# Allegro board LED_FIN.brd (continued)
## Placement (name value [footprint] x y rotation side) (continued)
D5105  0603_LED  [0603_SINGLE]  45.25 280 0 top
D5106  0603_LED  [0603_SINGLE]  47.25 280 0 top
D5107  0603_LED  [0603_SINGLE]  49.25 280 0 top
D5108  0603_LED  [0603_SINGLE]  51.25 280 0 top
D5109  0603_LED  [0603_SINGLE]  53.25 280 0 top
D5110  0603_LED  [0603_SINGLE]  55.25 280 0 top
D5111  0603_LED  [0603_SINGLE]  57.25 280 0 top
D5112  0603_LED  [0603_SINGLE]  59.25 280 0 top
D5113  0603_LED  [0603_SINGLE]  61.25 280 0 top
D5114  0603_LED  [0603_SINGLE]  63.25 280 0 top
D5115  0603_LED  [0603_SINGLE]  65.25 280 0 top
D5116  0603_LED  [0603_SINGLE]  67.25 280 0 top
D5117  0603_LED  [0603_SINGLE]  69.25 280 0 top
D5118  0603_LED  [0603_SINGLE]  71.25 280 0 top
D5119  0603_LED  [0603_SINGLE]  73.25 280 0 top
D5120  0603_LED  [0603_SINGLE]  75.25 280 0 top
D5121  0603_LED  [0603_SINGLE]  77.25 280 0 top
D5122  0603_LED  [0603_SINGLE]  79.25 280 0 top
D5123  0603_LED  [0603_SINGLE]  81.25 280 0 top
D5124  0603_LED  [0603_SINGLE]  83.25 280 0 top
D5125  0603_LED  [0603_SINGLE]  85.25 280 0 top
D5126  0603_LED  [0603_SINGLE]  87.25 280 0 top
D5127  0603_LED  [0603_SINGLE]  89.25 280 0 top
D5128  0603_LED  [0603_SINGLE]  91.25 280 0 top
D5129  0603_LED  [0603_SINGLE]  93.25 280 0 top
D5130  0603_LED  [0603_SINGLE]  95.25 280 0 top
D5131  0603_LED  [0603_SINGLE]  37.25 278 0 top
D5132  0603_LED  [0603_SINGLE]  39.25 278 0 top
D5133  0603_LED  [0603_SINGLE]  41.25 278 0 top
D5134  0603_LED  [0603_SINGLE]  43.25 278 0 top
D5135  0603_LED  [0603_SINGLE]  45.25 278 0 top
D5136  0603_LED  [0603_SINGLE]  47.25 278 0 top
D5137  0603_LED  [0603_SINGLE]  49.25 278 0 top
D5138  0603_LED  [0603_SINGLE]  51.25 278 0 top
D5139  0603_LED  [0603_SINGLE]  53.25 278 0 top
D5140  0603_LED  [0603_SINGLE]  55.25 278 0 top
D5141  0603_LED  [0603_SINGLE]  57.25 278 0 top
D5142  0603_LED  [0603_SINGLE]  59.25 278 0 top
D5143  0603_LED  [0603_SINGLE]  61.25 278 0 top
D5144  0603_LED  [0603_SINGLE]  63.25 278 0 top
D5145  0603_LED  [0603_SINGLE]  65.25 278 0 top
D5146  0603_LED  [0603_SINGLE]  67.25 278 0 top
D5147  0603_LED  [0603_SINGLE]  69.25 278 0 top
D5148  0603_LED  [0603_SINGLE]  71.25 278 0 top
D5149  0603_LED  [0603_SINGLE]  73.25 278 0 top
D5150  0603_LED  [0603_SINGLE]  75.25 278 0 top
D5151  0603_LED  [0603_SINGLE]  77.25 278 0 top
D5152  0603_LED  [0603_SINGLE]  79.25 278 0 top
D5153  0603_LED  [0603_SINGLE]  81.25 278 0 top
D5154  0603_LED  [0603_SINGLE]  83.25 278 0 top
D5155  0603_LED  [0603_SINGLE]  85.25 278 0 top
D5156  0603_LED  [0603_SINGLE]  87.25 278 0 top
D5157  0603_LED  [0603_SINGLE]  89.25 278 0 top
D5158  0603_LED  [0603_SINGLE]  91.25 278 0 top
D5159  0603_LED  [0603_SINGLE]  93.25 278 0 top
D5160  0603_LED  [0603_SINGLE]  95.25 278 0 top
D5161  0603_LED  [0603_SINGLE]  37.25 276 0 top
D5162  0603_LED  [0603_SINGLE]  39.25 276 0 top
D5163  0603_LED  [0603_SINGLE]  41.25 276 0 top
D5164  0603_LED  [0603_SINGLE]  43.25 276 0 top
D5165  0603_LED  [0603_SINGLE]  45.25 276 0 top
D5166  0603_LED  [0603_SINGLE]  47.25 276 0 top
D5167  0603_LED  [0603_SINGLE]  49.25 276 0 top
D5168  0603_LED  [0603_SINGLE]  51.25 276 0 top
D5169  0603_LED  [0603_SINGLE]  53.25 276 0 top
D5170  0603_LED  [0603_SINGLE]  55.25 276 0 top
D5171  0603_LED  [0603_SINGLE]  57.25 276 0 top
D5172  0603_LED  [0603_SINGLE]  59.25 276 0 top
D5173  0603_LED  [0603_SINGLE]  61.25 276 0 top
D5174  0603_LED  [0603_SINGLE]  63.25 276 0 top
D5175  0603_LED  [0603_SINGLE]  65.25 276 0 top
D5176  0603_LED  [0603_SINGLE]  67.25 276 0 top
D5177  0603_LED  [0603_SINGLE]  69.25 276 0 top
D5178  0603_LED  [0603_SINGLE]  71.25 276 0 top
D5179  0603_LED  [0603_SINGLE]  73.25 276 0 top
D5180  0603_LED  [0603_SINGLE]  75.25 276 0 top
D5181  0603_LED  [0603_SINGLE]  77.25 276 0 top
D5182  0603_LED  [0603_SINGLE]  79.25 276 0 top
D5183  0603_LED  [0603_SINGLE]  81.25 276 0 top
D5184  0603_LED  [0603_SINGLE]  83.25 276 0 top
D5185  0603_LED  [0603_SINGLE]  85.25 276 0 top
D5186  0603_LED  [0603_SINGLE]  87.25 276 0 top
D5187  0603_LED  [0603_SINGLE]  89.25 276 0 top
D5188  0603_LED  [0603_SINGLE]  91.25 276 0 top
D5189  0603_LED  [0603_SINGLE]  93.25 276 0 top
D5190  0603_LED  [0603_SINGLE]  95.25 276 0 top
D5191  0603_LED  [0603_SINGLE]  37.25 274 0 top
D5192  0603_LED  [0603_SINGLE]  39.25 274 0 top
D5193  0603_LED  [0603_SINGLE]  41.25 274 0 top
D5194  0603_LED  [0603_SINGLE]  43.25 274 0 top
D5195  0603_LED  [0603_SINGLE]  45.25 274 0 top
D5196  0603_LED  [0603_SINGLE]  47.25 274 0 top
D5197  0603_LED  [0603_SINGLE]  49.25 274 0 top
D5198  0603_LED  [0603_SINGLE]  51.25 274 0 top
D5199  0603_LED  [0603_SINGLE]  53.25 274 0 top
D5200  0603_LED  [0603_SINGLE]  55.25 274 0 top
D5201  0603_LED  [0603_SINGLE]  57.25 274 0 top
D5202  0603_LED  [0603_SINGLE]  59.25 274 0 top
D5203  0603_LED  [0603_SINGLE]  61.25 274 0 top
D5204  0603_LED  [0603_SINGLE]  63.25 274 0 top
D5205  0603_LED  [0603_SINGLE]  65.25 274 0 top
D5206  0603_LED  [0603_SINGLE]  67.25 274 0 top
D5207  0603_LED  [0603_SINGLE]  69.25 274 0 top
D5208  0603_LED  [0603_SINGLE]  71.25 274 0 top
D5209  0603_LED  [0603_SINGLE]  73.25 274 0 top
D5210  0603_LED  [0603_SINGLE]  75.25 274 0 top
D5211  0603_LED  [0603_SINGLE]  77.25 274 0 top
D5212  0603_LED  [0603_SINGLE]  79.25 274 0 top
D5213  0603_LED  [0603_SINGLE]  81.25 274 0 top
D5214  0603_LED  [0603_SINGLE]  83.25 274 0 top
D5215  0603_LED  [0603_SINGLE]  85.25 274 0 top
D5216  0603_LED  [0603_SINGLE]  87.25 274 0 top
D5217  0603_LED  [0603_SINGLE]  89.25 274 0 top
D5218  0603_LED  [0603_SINGLE]  91.25 274 0 top
D5219  0603_LED  [0603_SINGLE]  93.25 274 0 top
D5220  0603_LED  [0603_SINGLE]  95.25 274 0 top
D5221  0603_LED  [0603_SINGLE]  37.25 272 0 top
D5222  0603_LED  [0603_SINGLE]  39.25 272 0 top
D5223  0603_LED  [0603_SINGLE]  41.25 272 0 top
D5224  0603_LED  [0603_SINGLE]  43.25 272 0 top
D5225  0603_LED  [0603_SINGLE]  45.25 272 0 top
D5226  0603_LED  [0603_SINGLE]  47.25 272 0 top
D5227  0603_LED  [0603_SINGLE]  49.25 272 0 top
D5228  0603_LED  [0603_SINGLE]  51.25 272 0 top
D5229  0603_LED  [0603_SINGLE]  53.25 272 0 top
D5230  0603_LED  [0603_SINGLE]  55.25 272 0 top
D5231  0603_LED  [0603_SINGLE]  57.25 272 0 top
D5232  0603_LED  [0603_SINGLE]  59.25 272 0 top
D5233  0603_LED  [0603_SINGLE]  61.25 272 0 top
D5234  0603_LED  [0603_SINGLE]  63.25 272 0 top
D5235  0603_LED  [0603_SINGLE]  65.25 272 0 top
D5236  0603_LED  [0603_SINGLE]  67.25 272 0 top
D5237  0603_LED  [0603_SINGLE]  69.25 272 0 top
D5238  0603_LED  [0603_SINGLE]  71.25 272 0 top
D5239  0603_LED  [0603_SINGLE]  73.25 272 0 top
D5240  0603_LED  [0603_SINGLE]  75.25 272 0 top
D5241  0603_LED  [0603_SINGLE]  77.25 272 0 top
D5242  0603_LED  [0603_SINGLE]  79.25 272 0 top
D5243  0603_LED  [0603_SINGLE]  81.25 272 0 top
D5244  0603_LED  [0603_SINGLE]  83.25 272 0 top
D5245  0603_LED  [0603_SINGLE]  85.25 272 0 top
D5246  0603_LED  [0603_SINGLE]  87.25 272 0 top
D5247  0603_LED  [0603_SINGLE]  89.25 272 0 top
D5248  0603_LED  [0603_SINGLE]  91.25 272 0 top
D5249  0603_LED  [0603_SINGLE]  93.25 272 0 top
D5250  0603_LED  [0603_SINGLE]  95.25 272 0 top
D5251  0603_LED  [0603_SINGLE]  37.25 270 0 top
D5252  0603_LED  [0603_SINGLE]  39.25 270 0 top
D5253  0603_LED  [0603_SINGLE]  41.25 270 0 top
D5254  0603_LED  [0603_SINGLE]  43.25 270 0 top
D5255  0603_LED  [0603_SINGLE]  45.25 270 0 top
D5256  0603_LED  [0603_SINGLE]  47.25 270 0 top
D5257  0603_LED  [0603_SINGLE]  49.25 270 0 top
D5258  0603_LED  [0603_SINGLE]  51.25 270 0 top
D5259  0603_LED  [0603_SINGLE]  53.25 270 0 top
D5260  0603_LED  [0603_SINGLE]  55.25 270 0 top
D5261  0603_LED  [0603_SINGLE]  57.25 270 0 top
D5262  0603_LED  [0603_SINGLE]  59.25 270 0 top
D5263  0603_LED  [0603_SINGLE]  61.25 270 0 top
D5264  0603_LED  [0603_SINGLE]  63.25 270 0 top
D5265  0603_LED  [0603_SINGLE]  65.25 270 0 top
D5266  0603_LED  [0603_SINGLE]  67.25 270 0 top
D5267  0603_LED  [0603_SINGLE]  69.25 270 0 top
D5268  0603_LED  [0603_SINGLE]  71.25 270 0 top
D5269  0603_LED  [0603_SINGLE]  73.25 270 0 top
D5270  0603_LED  [0603_SINGLE]  75.25 270 0 top
D5271  0603_LED  [0603_SINGLE]  77.25 270 0 top
D5272  0603_LED  [0603_SINGLE]  79.25 270 0 top
D5273  0603_LED  [0603_SINGLE]  81.25 270 0 top
D5274  0603_LED  [0603_SINGLE]  83.25 270 0 top
D5275  0603_LED  [0603_SINGLE]  85.25 270 0 top
D5276  0603_LED  [0603_SINGLE]  87.25 270 0 top
D5277  0603_LED  [0603_SINGLE]  89.25 270 0 top
D5278  0603_LED  [0603_SINGLE]  91.25 270 0 top
D5279  0603_LED  [0603_SINGLE]  93.25 270 0 top
D5280  0603_LED  [0603_SINGLE]  95.25 270 0 top
D5281  0603_LED  [0603_SINGLE]  37.25 268 0 top
D5282  0603_LED  [0603_SINGLE]  39.25 268 0 top
D5283  0603_LED  [0603_SINGLE]  41.25 268 0 top
D5284  0603_LED  [0603_SINGLE]  43.25 268 0 top
D5285  0603_LED  [0603_SINGLE]  45.25 268 0 top
D5286  0603_LED  [0603_SINGLE]  47.25 268 0 top
D5287  0603_LED  [0603_SINGLE]  49.25 268 0 top
D5288  0603_LED  [0603_SINGLE]  51.25 268 0 top
D5289  0603_LED  [0603_SINGLE]  53.25 268 0 top
D5290  0603_LED  [0603_SINGLE]  55.25 268 0 top
D5291  0603_LED  [0603_SINGLE]  57.25 268 0 top
D5292  0603_LED  [0603_SINGLE]  59.25 268 0 top
D5293  0603_LED  [0603_SINGLE]  61.25 268 0 top
D5294  0603_LED  [0603_SINGLE]  63.25 268 0 top
D5295  0603_LED  [0603_SINGLE]  65.25 268 0 top
D5296  0603_LED  [0603_SINGLE]  67.25 268 0 top
D5297  0603_LED  [0603_SINGLE]  69.25 268 0 top
D5298  0603_LED  [0603_SINGLE]  71.25 268 0 top
D5299  0603_LED  [0603_SINGLE]  73.25 268 0 top
D5300  0603_LED  [0603_SINGLE]  75.25 268 0 top
D5301  0603_LED  [0603_SINGLE]  77.25 268 0 top
D5302  0603_LED  [0603_SINGLE]  79.25 268 0 top
D5303  0603_LED  [0603_SINGLE]  81.25 268 0 top
D5304  0603_LED  [0603_SINGLE]  83.25 268 0 top
D5305  0603_LED  [0603_SINGLE]  85.25 268 0 top
D5306  0603_LED  [0603_SINGLE]  87.25 268 0 top
D5307  0603_LED  [0603_SINGLE]  89.25 268 0 top
D5308  0603_LED  [0603_SINGLE]  91.25 268 0 top
D5309  0603_LED  [0603_SINGLE]  93.25 268 0 top
D5310  0603_LED  [0603_SINGLE]  95.25 268 0 top
D5311  0603_LED  [0603_SINGLE]  37.25 266 0 top
D5312  0603_LED  [0603_SINGLE]  39.25 266 0 top
D5313  0603_LED  [0603_SINGLE]  41.25 266 0 top
D5314  0603_LED  [0603_SINGLE]  43.25 266 0 top
D5315  0603_LED  [0603_SINGLE]  45.25 266 0 top
D5316  0603_LED  [0603_SINGLE]  47.25 266 0 top
D5317  0603_LED  [0603_SINGLE]  49.25 266 0 top
D5318  0603_LED  [0603_SINGLE]  51.25 266 0 top
D5319  0603_LED  [0603_SINGLE]  53.25 266 0 top
D5320  0603_LED  [0603_SINGLE]  55.25 266 0 top
D5321  0603_LED  [0603_SINGLE]  57.25 266 0 top
D5322  0603_LED  [0603_SINGLE]  59.25 266 0 top
D5323  0603_LED  [0603_SINGLE]  61.25 266 0 top
D5324  0603_LED  [0603_SINGLE]  63.25 266 0 top
D5325  0603_LED  [0603_SINGLE]  65.25 266 0 top
D5326  0603_LED  [0603_SINGLE]  67.25 266 0 top
D5327  0603_LED  [0603_SINGLE]  69.25 266 0 top
D5328  0603_LED  [0603_SINGLE]  71.25 266 0 top
D5329  0603_LED  [0603_SINGLE]  73.25 266 0 top
D5330  0603_LED  [0603_SINGLE]  75.25 266 0 top
D5331  0603_LED  [0603_SINGLE]  77.25 266 0 top
D5332  0603_LED  [0603_SINGLE]  79.25 266 0 top
D5333  0603_LED  [0603_SINGLE]  81.25 266 0 top
D5334  0603_LED  [0603_SINGLE]  83.25 266 0 top
D5335  0603_LED  [0603_SINGLE]  85.25 266 0 top
D5336  0603_LED  [0603_SINGLE]  87.25 266 0 top
D5337  0603_LED  [0603_SINGLE]  89.25 266 0 top
D5338  0603_LED  [0603_SINGLE]  91.25 266 0 top
D5339  0603_LED  [0603_SINGLE]  93.25 266 0 top
D5340  0603_LED  [0603_SINGLE]  95.25 266 0 top
D5341  0603_LED  [0603_SINGLE]  37.25 264 0 top
D5342  0603_LED  [0603_SINGLE]  39.25 264 0 top
D5343  0603_LED  [0603_SINGLE]  41.25 264 0 top
D5344  0603_LED  [0603_SINGLE]  43.25 264 0 top
D5345  0603_LED  [0603_SINGLE]  45.25 264 0 top
D5346  0603_LED  [0603_SINGLE]  47.25 264 0 top
D5347  0603_LED  [0603_SINGLE]  49.25 264 0 top
D5348  0603_LED  [0603_SINGLE]  51.25 264 0 top
D5349  0603_LED  [0603_SINGLE]  53.25 264 0 top
D5350  0603_LED  [0603_SINGLE]  55.25 264 0 top
D5351  0603_LED  [0603_SINGLE]  57.25 264 0 top
D5352  0603_LED  [0603_SINGLE]  59.25 264 0 top
D5353  0603_LED  [0603_SINGLE]  61.25 264 0 top
D5354  0603_LED  [0603_SINGLE]  63.25 264 0 top
D5355  0603_LED  [0603_SINGLE]  65.25 264 0 top
D5356  0603_LED  [0603_SINGLE]  67.25 264 0 top
D5357  0603_LED  [0603_SINGLE]  69.25 264 0 top
D5358  0603_LED  [0603_SINGLE]  71.25 264 0 top
D5359  0603_LED  [0603_SINGLE]  73.25 264 0 top
D5360  0603_LED  [0603_SINGLE]  75.25 264 0 top
D5361  0603_LED  [0603_SINGLE]  77.25 264 0 top
D5362  0603_LED  [0603_SINGLE]  79.25 264 0 top
D5363  0603_LED  [0603_SINGLE]  81.25 264 0 top
D5364  0603_LED  [0603_SINGLE]  83.25 264 0 top
D5365  0603_LED  [0603_SINGLE]  85.25 264 0 top
D5366  0603_LED  [0603_SINGLE]  87.25 264 0 top
D5367  0603_LED  [0603_SINGLE]  89.25 264 0 top
D5368  0603_LED  [0603_SINGLE]  91.25 264 0 top
D5369  0603_LED  [0603_SINGLE]  93.25 264 0 top
D5370  0603_LED  [0603_SINGLE]  95.25 264 0 top
D5371  0603_LED  [0603_SINGLE]  37.25 262 0 top
D5372  0603_LED  [0603_SINGLE]  39.25 262 0 top
D5373  0603_LED  [0603_SINGLE]  41.25 262 0 top
D5374  0603_LED  [0603_SINGLE]  43.25 262 0 top
D5375  0603_LED  [0603_SINGLE]  45.25 262 0 top
D5376  0603_LED  [0603_SINGLE]  47.25 262 0 top
D5377  0603_LED  [0603_SINGLE]  49.25 262 0 top
D5378  0603_LED  [0603_SINGLE]  51.25 262 0 top
D5379  0603_LED  [0603_SINGLE]  53.25 262 0 top
D5380  0603_LED  [0603_SINGLE]  55.25 262 0 top
D5381  0603_LED  [0603_SINGLE]  57.25 262 0 top
D5382  0603_LED  [0603_SINGLE]  59.25 262 0 top
D5383  0603_LED  [0603_SINGLE]  61.25 262 0 top
D5384  0603_LED  [0603_SINGLE]  63.25 262 0 top
D5385  0603_LED  [0603_SINGLE]  65.25 262 0 top
D5386  0603_LED  [0603_SINGLE]  67.25 262 0 top
D5387  0603_LED  [0603_SINGLE]  69.25 262 0 top
D5388  0603_LED  [0603_SINGLE]  71.25 262 0 top
D5389  0603_LED  [0603_SINGLE]  73.25 262 0 top
D5390  0603_LED  [0603_SINGLE]  75.25 262 0 top
D5391  0603_LED  [0603_SINGLE]  77.25 262 0 top
D5392  0603_LED  [0603_SINGLE]  79.25 262 0 top
D5393  0603_LED  [0603_SINGLE]  81.25 262 0 top
D5394  0603_LED  [0603_SINGLE]  83.25 262 0 top
D5395  0603_LED  [0603_SINGLE]  85.25 262 0 top
D5396  0603_LED  [0603_SINGLE]  87.25 262 0 top
D5397  0603_LED  [0603_SINGLE]  89.25 262 0 top
D5398  0603_LED  [0603_SINGLE]  91.25 262 0 top
D5399  0603_LED  [0603_SINGLE]  93.25 262 0 top
D5400  0603_LED  [0603_SINGLE]  95.25 262 0 top
D5401  0603_LED  [0603_SINGLE]  37.25 260 0 top
D5402  0603_LED  [0603_SINGLE]  39.25 260 0 top
D5403  0603_LED  [0603_SINGLE]  41.25 260 0 top
D5404  0603_LED  [0603_SINGLE]  43.25 260 0 top
D5405  0603_LED  [0603_SINGLE]  45.25 260 0 top
D5406  0603_LED  [0603_SINGLE]  47.25 260 0 top
D5407  0603_LED  [0603_SINGLE]  49.25 260 0 top
D5408  0603_LED  [0603_SINGLE]  51.25 260 0 top
D5409  0603_LED  [0603_SINGLE]  53.25 260 0 top
D5410  0603_LED  [0603_SINGLE]  55.25 260 0 top
D5411  0603_LED  [0603_SINGLE]  57.25 260 0 top
D5412  0603_LED  [0603_SINGLE]  59.25 260 0 top
D5413  0603_LED  [0603_SINGLE]  61.25 260 0 top
D5414  0603_LED  [0603_SINGLE]  63.25 260 0 top
D5415  0603_LED  [0603_SINGLE]  65.25 260 0 top
D5416  0603_LED  [0603_SINGLE]  67.25 260 0 top
D5417  0603_LED  [0603_SINGLE]  69.25 260 0 top
D5418  0603_LED  [0603_SINGLE]  71.25 260 0 top
D5419  0603_LED  [0603_SINGLE]  73.25 260 0 top
D5420  0603_LED  [0603_SINGLE]  75.25 260 0 top
D5421  0603_LED  [0603_SINGLE]  77.25 260 0 top
D5422  0603_LED  [0603_SINGLE]  79.25 260 0 top
D5423  0603_LED  [0603_SINGLE]  81.25 260 0 top
D5424  0603_LED  [0603_SINGLE]  83.25 260 0 top
D5425  0603_LED  [0603_SINGLE]  85.25 260 0 top
D5426  0603_LED  [0603_SINGLE]  87.25 260 0 top
D5427  0603_LED  [0603_SINGLE]  89.25 260 0 top
D5428  0603_LED  [0603_SINGLE]  91.25 260 0 top
D5429  0603_LED  [0603_SINGLE]  93.25 260 0 top
D5430  0603_LED  [0603_SINGLE]  95.25 260 0 top
D5431  0603_LED  [0603_SINGLE]  37.25 258 0 top
D5432  0603_LED  [0603_SINGLE]  39.25 258 0 top
D5433  0603_LED  [0603_SINGLE]  41.25 258 0 top
D5434  0603_LED  [0603_SINGLE]  43.25 258 0 top
D5435  0603_LED  [0603_SINGLE]  45.25 258 0 top
D5436  0603_LED  [0603_SINGLE]  47.25 258 0 top
D5437  0603_LED  [0603_SINGLE]  49.25 258 0 top
D5438  0603_LED  [0603_SINGLE]  51.25 258 0 top
D5439  0603_LED  [0603_SINGLE]  53.25 258 0 top
D5440  0603_LED  [0603_SINGLE]  55.25 258 0 top
D5441  0603_LED  [0603_SINGLE]  57.25 258 0 top
D5442  0603_LED  [0603_SINGLE]  59.25 258 0 top
D5443  0603_LED  [0603_SINGLE]  61.25 258 0 top
D5444  0603_LED  [0603_SINGLE]  63.25 258 0 top
D5445  0603_LED  [0603_SINGLE]  65.25 258 0 top
D5446  0603_LED  [0603_SINGLE]  67.25 258 0 top
D5447  0603_LED  [0603_SINGLE]  69.25 258 0 top
D5448  0603_LED  [0603_SINGLE]  71.25 258 0 top
D5449  0603_LED  [0603_SINGLE]  73.25 258 0 top
D5450  0603_LED  [0603_SINGLE]  75.25 258 0 top
D5451  0603_LED  [0603_SINGLE]  77.25 258 0 top
D5452  0603_LED  [0603_SINGLE]  79.25 258 0 top
D5453  0603_LED  [0603_SINGLE]  81.25 258 0 top
D5454  0603_LED  [0603_SINGLE]  83.25 258 0 top
D5455  0603_LED  [0603_SINGLE]  85.25 258 0 top
D5456  0603_LED  [0603_SINGLE]  87.25 258 0 top
D5457  0603_LED  [0603_SINGLE]  89.25 258 0 top
D5458  0603_LED  [0603_SINGLE]  91.25 258 0 top
D5459  0603_LED  [0603_SINGLE]  93.25 258 0 top
D5460  0603_LED  [0603_SINGLE]  95.25 258 0 top
D5461  0603_LED  [0603_SINGLE]  37.25 256 0 top
D5462  0603_LED  [0603_SINGLE]  39.25 256 0 top
D5463  0603_LED  [0603_SINGLE]  41.25 256 0 top
D5464  0603_LED  [0603_SINGLE]  43.25 256 0 top
D5465  0603_LED  [0603_SINGLE]  45.25 256 0 top
D5466  0603_LED  [0603_SINGLE]  47.25 256 0 top
D5467  0603_LED  [0603_SINGLE]  49.25 256 0 top
D5468  0603_LED  [0603_SINGLE]  51.25 256 0 top
D5469  0603_LED  [0603_SINGLE]  53.25 256 0 top
D5470  0603_LED  [0603_SINGLE]  55.25 256 0 top
D5471  0603_LED  [0603_SINGLE]  57.25 256 0 top
D5472  0603_LED  [0603_SINGLE]  59.25 256 0 top
D5473  0603_LED  [0603_SINGLE]  61.25 256 0 top
D5474  0603_LED  [0603_SINGLE]  63.25 256 0 top
D5475  0603_LED  [0603_SINGLE]  65.25 256 0 top
D5476  0603_LED  [0603_SINGLE]  67.25 256 0 top
D5477  0603_LED  [0603_SINGLE]  69.25 256 0 top
D5478  0603_LED  [0603_SINGLE]  71.25 256 0 top
D5479  0603_LED  [0603_SINGLE]  73.25 256 0 top
D5480  0603_LED  [0603_SINGLE]  75.25 256 0 top
D5481  0603_LED  [0603_SINGLE]  77.25 256 0 top
D5482  0603_LED  [0603_SINGLE]  79.25 256 0 top
D5483  0603_LED  [0603_SINGLE]  81.25 256 0 top
D5484  0603_LED  [0603_SINGLE]  83.25 256 0 top
D5485  0603_LED  [0603_SINGLE]  85.25 256 0 top
D5486  0603_LED  [0603_SINGLE]  87.25 256 0 top
D5487  0603_LED  [0603_SINGLE]  89.25 256 0 top
D5488  0603_LED  [0603_SINGLE]  91.25 256 0 top
D5489  0603_LED  [0603_SINGLE]  93.25 256 0 top
D5490  0603_LED  [0603_SINGLE]  95.25 256 0 top
D5491  0603_LED  [0603_SINGLE]  37.25 254 0 top
D5492  0603_LED  [0603_SINGLE]  39.25 254 0 top
D5493  0603_LED  [0603_SINGLE]  41.25 254 0 top
D5494  0603_LED  [0603_SINGLE]  43.25 254 0 top
D5495  0603_LED  [0603_SINGLE]  45.25 254 0 top
D5496  0603_LED  [0603_SINGLE]  47.25 254 0 top
D5497  0603_LED  [0603_SINGLE]  49.25 254 0 top
D5498  0603_LED  [0603_SINGLE]  51.25 254 0 top
D5499  0603_LED  [0603_SINGLE]  53.25 254 0 top
D5500  0603_LED  [0603_SINGLE]  55.25 254 0 top
D5501  0603_LED  [0603_SINGLE]  57.25 254 0 top
D5502  0603_LED  [0603_SINGLE]  59.25 254 0 top
D5503  0603_LED  [0603_SINGLE]  61.25 254 0 top
D5504  0603_LED  [0603_SINGLE]  63.25 254 0 top
D5505  0603_LED  [0603_SINGLE]  65.25 254 0 top
D5506  0603_LED  [0603_SINGLE]  67.25 254 0 top
D5507  0603_LED  [0603_SINGLE]  69.25 254 0 top
D5508  0603_LED  [0603_SINGLE]  71.25 254 0 top
D5509  0603_LED  [0603_SINGLE]  73.25 254 0 top
D5510  0603_LED  [0603_SINGLE]  75.25 254 0 top
D5511  0603_LED  [0603_SINGLE]  77.25 254 0 top
D5512  0603_LED  [0603_SINGLE]  79.25 254 0 top
D5513  0603_LED  [0603_SINGLE]  81.25 254 0 top
D5514  0603_LED  [0603_SINGLE]  83.25 254 0 top
D5515  0603_LED  [0603_SINGLE]  85.25 254 0 top
D5516  0603_LED  [0603_SINGLE]  87.25 254 0 top
D5517  0603_LED  [0603_SINGLE]  89.25 254 0 top
D5518  0603_LED  [0603_SINGLE]  91.25 254 0 top
D5519  0603_LED  [0603_SINGLE]  93.25 254 0 top
D5520  0603_LED  [0603_SINGLE]  95.25 254 0 top
D5521  0603_LED  [0603_SINGLE]  37.25 252 0 top
D5522  0603_LED  [0603_SINGLE]  39.25 252 0 top
D5523  0603_LED  [0603_SINGLE]  41.25 252 0 top
D5524  0603_LED  [0603_SINGLE]  43.25 252 0 top
D5525  0603_LED  [0603_SINGLE]  45.25 252 0 top
D5526  0603_LED  [0603_SINGLE]  47.25 252 0 top
D5527  0603_LED  [0603_SINGLE]  49.25 252 0 top
D5528  0603_LED  [0603_SINGLE]  51.25 252 0 top
D5529  0603_LED  [0603_SINGLE]  53.25 252 0 top
D5530  0603_LED  [0603_SINGLE]  55.25 252 0 top
D5531  0603_LED  [0603_SINGLE]  57.25 252 0 top
D5532  0603_LED  [0603_SINGLE]  59.25 252 0 top
D5533  0603_LED  [0603_SINGLE]  61.25 252 0 top
D5534  0603_LED  [0603_SINGLE]  63.25 252 0 top
D5535  0603_LED  [0603_SINGLE]  65.25 252 0 top
D5536  0603_LED  [0603_SINGLE]  67.25 252 0 top
D5537  0603_LED  [0603_SINGLE]  69.25 252 0 top
D5538  0603_LED  [0603_SINGLE]  71.25 252 0 top
D5539  0603_LED  [0603_SINGLE]  73.25 252 0 top
D5540  0603_LED  [0603_SINGLE]  75.25 252 0 top
D5541  0603_LED  [0603_SINGLE]  77.25 252 0 top
D5542  0603_LED  [0603_SINGLE]  79.25 252 0 top
D5543  0603_LED  [0603_SINGLE]  81.25 252 0 top
D5544  0603_LED  [0603_SINGLE]  83.25 252 0 top
D5545  0603_LED  [0603_SINGLE]  85.25 252 0 top
D5546  0603_LED  [0603_SINGLE]  87.25 252 0 top
D5547  0603_LED  [0603_SINGLE]  89.25 252 0 top
D5548  0603_LED  [0603_SINGLE]  91.25 252 0 top
D5549  0603_LED  [0603_SINGLE]  93.25 252 0 top
D5550  0603_LED  [0603_SINGLE]  95.25 252 0 top
D5551  0603_LED  [0603_SINGLE]  37.25 250 0 top
D5552  0603_LED  [0603_SINGLE]  39.25 250 0 top
D5553  0603_LED  [0603_SINGLE]  41.25 250 0 top
D5554  0603_LED  [0603_SINGLE]  43.25 250 0 top
D5555  0603_LED  [0603_SINGLE]  45.25 250 0 top
D5556  0603_LED  [0603_SINGLE]  47.25 250 0 top
D5557  0603_LED  [0603_SINGLE]  49.25 250 0 top
D5558  0603_LED  [0603_SINGLE]  51.25 250 0 top
D5559  0603_LED  [0603_SINGLE]  53.25 250 0 top
D5560  0603_LED  [0603_SINGLE]  55.25 250 0 top
D5561  0603_LED  [0603_SINGLE]  57.25 250 0 top
D5562  0603_LED  [0603_SINGLE]  59.25 250 0 top
D5563  0603_LED  [0603_SINGLE]  61.25 250 0 top
D5564  0603_LED  [0603_SINGLE]  63.25 250 0 top
D5565  0603_LED  [0603_SINGLE]  65.25 250 0 top
D5566  0603_LED  [0603_SINGLE]  67.25 250 0 top
D5567  0603_LED  [0603_SINGLE]  69.25 250 0 top
D5568  0603_LED  [0603_SINGLE]  71.25 250 0 top
D5569  0603_LED  [0603_SINGLE]  73.25 250 0 top
D5570  0603_LED  [0603_SINGLE]  75.25 250 0 top
D5571  0603_LED  [0603_SINGLE]  77.25 250 0 top
D5572  0603_LED  [0603_SINGLE]  79.25 250 0 top
D5573  0603_LED  [0603_SINGLE]  81.25 250 0 top
D5574  0603_LED  [0603_SINGLE]  83.25 250 0 top
D5575  0603_LED  [0603_SINGLE]  85.25 250 0 top
D5576  0603_LED  [0603_SINGLE]  87.25 250 0 top
D5577  0603_LED  [0603_SINGLE]  89.25 250 0 top
D5578  0603_LED  [0603_SINGLE]  91.25 250 0 top
D5579  0603_LED  [0603_SINGLE]  93.25 250 0 top
D5580  0603_LED  [0603_SINGLE]  95.25 250 0 top
D5581  0603_LED  [0603_SINGLE]  37.25 248 0 top
D5582  0603_LED  [0603_SINGLE]  39.25 248 0 top
D5583  0603_LED  [0603_SINGLE]  41.25 248 0 top
D5584  0603_LED  [0603_SINGLE]  43.25 248 0 top
D5585  0603_LED  [0603_SINGLE]  45.25 248 0 top
D5586  0603_LED  [0603_SINGLE]  47.25 248 0 top
D5587  0603_LED  [0603_SINGLE]  49.25 248 0 top
D5588  0603_LED  [0603_SINGLE]  51.25 248 0 top
D5589  0603_LED  [0603_SINGLE]  53.25 248 0 top
D5590  0603_LED  [0603_SINGLE]  55.25 248 0 top
D5591  0603_LED  [0603_SINGLE]  57.25 248 0 top
D5592  0603_LED  [0603_SINGLE]  59.25 248 0 top
D5593  0603_LED  [0603_SINGLE]  61.25 248 0 top
D5594  0603_LED  [0603_SINGLE]  63.25 248 0 top
D5595  0603_LED  [0603_SINGLE]  65.25 248 0 top
D5596  0603_LED  [0603_SINGLE]  67.25 248 0 top
D5597  0603_LED  [0603_SINGLE]  69.25 248 0 top
D5598  0603_LED  [0603_SINGLE]  71.25 248 0 top
D5599  0603_LED  [0603_SINGLE]  73.25 248 0 top
D5600  0603_LED  [0603_SINGLE]  75.25 248 0 top
D5601  0603_LED  [0603_SINGLE]  77.25 248 0 top
D5602  0603_LED  [0603_SINGLE]  79.25 248 0 top
D5603  0603_LED  [0603_SINGLE]  81.25 248 0 top
D5604  0603_LED  [0603_SINGLE]  83.25 248 0 top
D5605  0603_LED  [0603_SINGLE]  85.25 248 0 top
D5606  0603_LED  [0603_SINGLE]  87.25 248 0 top
D5607  0603_LED  [0603_SINGLE]  89.25 248 0 top
D5608  0603_LED  [0603_SINGLE]  91.25 248 0 top
D5609  0603_LED  [0603_SINGLE]  93.25 248 0 top
D5610  0603_LED  [0603_SINGLE]  95.25 248 0 top
D5611  0603_LED  [0603_SINGLE]  37.25 246 0 top
D5612  0603_LED  [0603_SINGLE]  39.25 246 0 top
D5613  0603_LED  [0603_SINGLE]  41.25 246 0 top
D5614  0603_LED  [0603_SINGLE]  43.25 246 0 top
D5615  0603_LED  [0603_SINGLE]  45.25 246 0 top
D5616  0603_LED  [0603_SINGLE]  47.25 246 0 top
D5617  0603_LED  [0603_SINGLE]  49.25 246 0 top
D5618  0603_LED  [0603_SINGLE]  51.25 246 0 top
D5619  0603_LED  [0603_SINGLE]  53.25 246 0 top
D5620  0603_LED  [0603_SINGLE]  55.25 246 0 top
D5621  0603_LED  [0603_SINGLE]  57.25 246 0 top
D5622  0603_LED  [0603_SINGLE]  59.25 246 0 top
D5623  0603_LED  [0603_SINGLE]  61.25 246 0 top